# Altium PCB Gatorsynth_Sequencer.PcbDoc (part 1 of 2)
Units mm, origin at the board's own origin, x right, y up, seen from the top; angles counter-clockwise.
Board outline 320 x 113.4 mm, 2 copper layers (Top Layer, Bottom Layer); 109 components, 280 nets, 485 pads, 478 vias.
Unrouted connection lines stored in the file: 2.
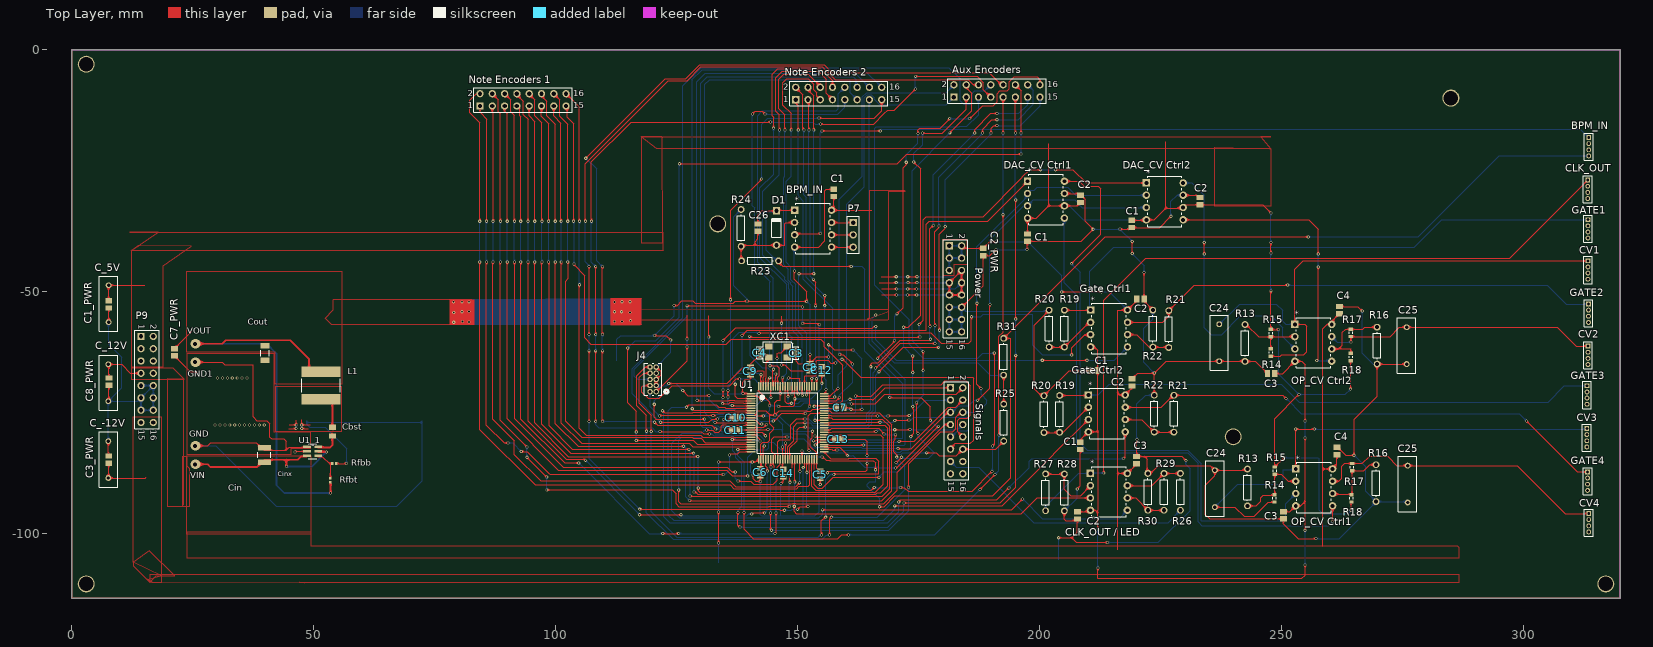
[diagram p0: Top Layer view]
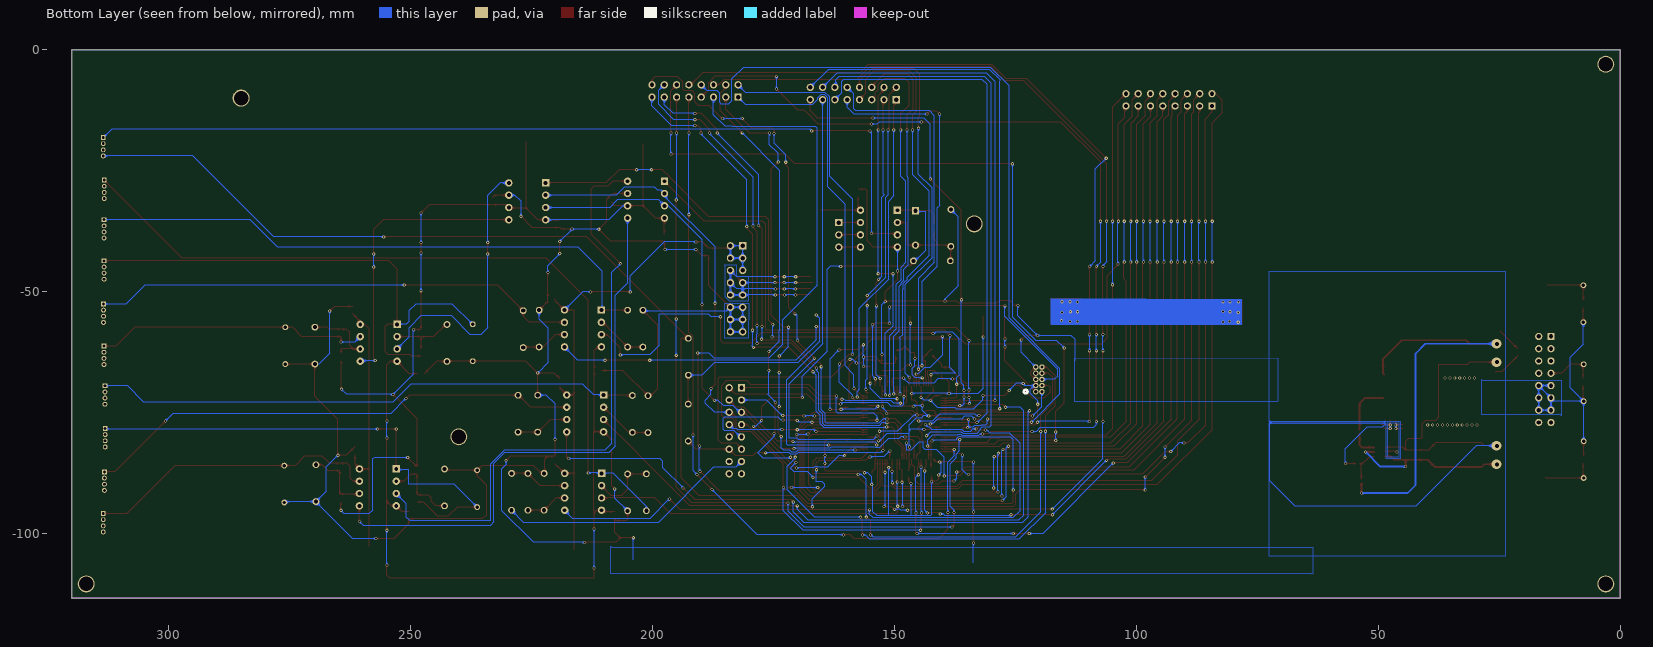
[diagram p1: Bottom Layer view, seen from below]

## Layer stack, top to bottom
Top Solder: solder mask 0.0102, Solder Resist, Dk 3.5
Top Layer: signal copper 0.0356
Dielectric 1: dielectric 0.32, FR-4, Dk 4.8
Bottom Layer: signal copper 0.0356
Bottom Solder: solder mask 0.0102, Solder Resist, Dk 3.5

## Board outline
0,-113.4 0,0 320,0 320,-113.4

## Design rules (kind name [scope] priority, off if disabled: settings)
Clearance Clearance_2 [All] p1: gap=0.15
Clearance [InPolygon] p2: gap=0.254
ComponentClearance ComponentClearance_1 [All] p1: gap=0.254 collisioncheckmode=3 verticalgap=0.254 showdistances=FALSE
PolygonConnect [All] p1: connectstyle=Relief reliefconductorwidth=0.254 reliefentries=4 polygonreliefangle="90 Angle" airgapwidth=0.254
RoutingVias [All] p1: holewidth=0.711 width=1.27 viastyle="Through Hole" minholewidth=0.711 minwidth=1.27 maxholewidth=0.711 maxwidth=1.27
SolderMaskExpansion [All] p1: expansion=0.102
Width [All] p1: maxlimit=0.5 minlimit=0.254 preferedwidth=0.254
29 further rules are at their usual default settings.

## Classes and differential pairs
channel class Ribbon_Connectors: U_Ribbon_Connectors1 U_Ribbon_Connectors2 U_Ribbon_Connectors3 U_Ribbon_Connectors4 U_Ribbon_Connectors5
component class U_Ribbon_Connectors5: "Note Encoders 1"
component class U_Ribbon_Connectors4: "Note Encoders 2"
component class U_Ribbon_Connectors3: "Aux Encoders"
component class U_Ribbon_Connectors2: Signals
component class U_Ribbon_Connectors1: Power
channel class Jack_Out: Jack_Out1 Jack_Out2 Jack_Out3 Jack_Out4 Jack_Out5 Jack_Out6 Jack_Out7 Jack_Out8 Jack_Out9
channel class Gate_Control: "Gate Control1" "Gate Control2"
channel class Expanders: ButtonExpanders NoteExpanders
channel class Encoders: "AUX Encoders1" "AUX Encoders2" "AUX Encoders3" "AUX Encoders4" "AUX Encoders5" "AUX Encoders6" "AUX Encoders7" "AUX Encoders8" "NOTE Encoders1" "NOTE Encoders2" "NOTE Encoders3" "NOTE Encoders4" "NOTE Encoders5" "NOTE Encoders6" "NOTE Encoders7" "NOTE Encoders8" "NOTE Encoders9" "NOTE Encoders10" "NOTE Encoders11" "NOTE Encoders12" "NOTE Encoders13" "NOTE Encoders14" "NOTE Encoders15" "NOTE Encoders16"
channel class Displays: U_Displays1 U_Displays2 U_Displays3 U_Displays4 U_Displays5 U_Displays6 U_Displays7 U_Displays8
channel class CV_Control: "CV Control1" "CV Control2"
component class Programmer: J4
component class Processor: C3 C4 C5 C6 C7 C8 C9 C10 C11 C12 C13 C14 U1 XC1
component class Power: C1_PWR C2_PWR C3_PWR C7_PWR C8_PWR
component class Jack_Out9: CV4
component class Jack_Out8: GATE4
component class Jack_Out7: CV3
component class Jack_Out6: GATE4
component class Jack_Out5: CV2
component class Jack_Out4: GATE2
component class Jack_Out3: CV1
component class Jack_Out2: GATE1
component class Jack_Out1: CLK_OUT
component class Jack_In: BPM_IN R31
component class "Gate Control2": c1 C2 "Gate Ctrl2" R19 R20 R21 R22
component class "Gate Control1": C1 C2 "Gate Ctrl1" R19 R20 R21 R22
component class Digital_Io: BPM_IN C1 C2 C3 C26 "CLK_OUT / LED" D1 P7 R23 R24 R26 R27 R28 R29 R30
component class "CV Control2": C1 C2 C3 C4 C24 C25 CV_Ctrl2 "DAC_CV Ctrl2" "OP_CV Ctrl2" R13 R14 R15 R16 R17 R18
component class "CV Control1": C1 C2 C3 C4 C24 C25 "DAC_CV Ctrl1" "OP_CV Ctrl1" R13 R14 R15 R16 R17 R18
component class Top_Level: R25

## Components (designator, comment, footprint, x,y, rotation, side; value= is the part's Value field where it differs from the comment)
"Aux Encoders" "Header 8X2" HDR2X8 182.3,-9.8 r0 top (schematic designator P9)
BPM_IN "LT1632CN8#PBF" PDIP-8_N 157.004,-40.792 r0 top (schematic designator U5)
BPM_IN "Phonejack3 RN" MHDR1X4 313.475,-18.15 r270 top (schematic designator J6)
C1 "" C0805 157.475,-29.6 r90 top (schematic designator C1_IOOP)
C1 "" C0805 208.425,-81.875 r90 top (schematic designator C1_GC)
C1 "" C0805 211.2,-66.3 r0 top (schematic designator C1_GC)
C1 "" C0805 219.05,-36 r90 top (schematic designator C1_DAC)
C1 "" C0805 197.5,-38.85 r90 top (schematic designator C1_DAC)
C1_PWR "" C0805 7.675,-52.625 r90 top
C2 "" C0805 207.825,-96.225 r90 top (schematic designator C2_IOOP)
C2 "" C0805 219.075,-68.75 r90 top (schematic designator C2_GC)
C2 "" C0805 220.85,-51.5 r0 top (schematic designator C2_GC)
C2 "" C0805 233.125,-31.3 r90 top (schematic designator C2_DAC)
C2 "" C0805 208.45,-30.825 r90 top (schematic designator C2_DAC)
C2_PWR "" C0805 188.375,-41.8 r90 top
C3 "" C0805 220.05,-84.8 r90 top (schematic designator C3_IOOP)
C3 "" C0805 247.85,-66.925 r180 top (schematic designator C3_DACOP)
C3 "" C0805 250.375,-96.2 r270 top (schematic designator C3_DACOP)
C3 "CAP-NONPOL" AP1-00001 149.675,-62.675 r270 top
C3_PWR "" C0805 7.675,-84.7 r270 top
C4 "" C0805 261.95,-53.825 r90 top (schematic designator C4_DACOP)
C4 "" C0805 261.45,-82.925 r90 top (schematic designator C4_DACOP)
C4 "CAP-NONPOL" AP1-00001 142.15,-62.6 r90 top
C5 "" C0805 154.675,-87.85 r90 top
C6 "" C0805 142.3,-87.275 r90 top
C7 "" C0805 158.8,-73.975 r180 top
C7_PWR "" C0805 21.225,-62.525 r90 top
C8 "" C0805 152.575,-65.6 r270 top
C8_PWR "" C0805 7.7,-68.6 r90 top
C9 "" C0805 140.25,-66.4 r270 top
C10 "" C0805 137.225,-76.025 r0 top
C11 "" C0805 137.125,-78.625 r0 top
C12 "" C0805 155,-66.25 r270 top
C13 "" C0805 158.4,-80.525 r180 top
C14 "" C0805 147.025,-87.475 r90 top
C24 "Cap" RAD-0.3 236.225,-90.7 r90 top
C24 "Cap" RAD-0.3 237.125,-60.55 r270 top
C25 "Cap" RAD-0.3 276.05,-89.75 r270 top
C25 "Cap" RAD-0.3 275.85,-61.15 r270 top
C26 "" C0805 141.804,-36.777 r270 top
C_5V "Cap Pol1" RAD-0.3 7.625,-52.5 r270 top (schematic designator C4_PWR)
C_12V "Cap Pol1" RAD-0.3 7.575,-68.825 r270 top (schematic designator C5_PWR)
C_-12V "Cap Pol1" RAD-0.3 7.575,-84.7 r270 top (schematic designator C6_PWR)
Cbst "Comment" 0805 53.883,-78.921 r270 top (schematic designator C27)
Cin "Comment" 1210 39.837,-83.747 r90 top (schematic designator C29)
CLK_OUT "Phonejack3 RN" MHDR1X4 313.275,-26.95 r270 top (schematic designator J7)
"CLK_OUT / LED" "LT1632CN8#PBF" PDIP-8_N 218.125,-95.163 r0 top (schematic designator U6)
Cout "Comment" 1206 39.964,-62.69 r270 top (schematic designator C28)
CV1 "Phonejack3 RN" MHDR1X4 313.3,-43.625 r270 top (schematic designator J7)
CV2 "Phonejack3 RN" MHDR1X4 313.325,-61.25 r270 top (schematic designator J7)
CV3 "Phonejack3 RN" MHDR1X4 313.075,-78.275 r270 top (schematic designator J7)
CV4 "Phonejack3 RN" MHDR1X4 313.475,-95.85 r270 top (schematic designator J7)
D1 "Diode 1N4148" DO-35 145.625,-36.85 r90 top
"DAC_CV Ctrl1" "LTC1661CN8#PBF" PDIP-8_N 205.125,-34.8 r0 top (schematic designator U2)
"DAC_CV Ctrl2" "LTC1661CN8#PBF" PDIP-8_N 229.675,-35.15 r0 top (schematic designator U2)
GATE1 "Phonejack3 RN" MHDR1X4 313.3,-35.125 r270 top (schematic designator J7)
GATE2 "Phonejack3 RN" MHDR1X4 313.425,-52.55 r270 top (schematic designator J7)
GATE3 "Phonejack3 RN" MHDR1X4 313.125,-69.45 r270 top (schematic designator J7)
GATE4 "Phonejack3 RN" MHDR1X4 313.25,-87.25 r270 top (schematic designator J7)
"Gate Ctrl1" "LT1632CN8#PBF" PDIP-8_N 218.175,-61.413 r0 top (schematic designator U4)
"Gate Ctrl2" "LT1632CN8#PBF" PDIP-8_N 217.704,-78.965 r0 top (schematic designator U4)
GND "Comment" TP-1502 25.511,-81.867 r90 top
GND1 "Comment" TP-1502 25.511,-64.57 r90 top
J4 "20021111-00010T4" CONN_MINITEK_2X5 120.15,-68.125 r90 top
L1 "Comment" SRN8040 51.521,-69.396 r90 top
"Note Encoders 1" "Header 8X2" HDR2X8 84.375,-11.625 r0 top (schematic designator P9)
"Note Encoders 2" "Header 8X2" HDR2X8 149.6,-10.325 r0 top (schematic designator P9)
"OP_CV Ctrl1" "LT1632CN8#PBF" PDIP-8_N 260.55,-94.25 r0 top (schematic designator U3)
"OP_CV Ctrl2" "LT1632CN8#PBF" PDIP-8_N 260.375,-64.375 r0 top (schematic designator U3)
P7 "Header 3" HDR1X3 161.479,-35.727 r270 top
P9 "Header 8X2" HDR2X8 14.325,-59.25 r270 top
Power "Header 8X2" HDR2X8 181.35,-40.525 r270 top (schematic designator P9)
R13 "Res1" AXIAL-0.3 242.45,-60.6 r270 top
R13 "Res1" AXIAL-0.3 242.95,-90.45 r90 top
R14 "Res3" J1-0603 248.55,-92.725 r270 top
R14 "Res3" J1-0603 247.8,-62.575 r270 top
R15 "Res3" J1-0603 248.625,-86.975 r270 top
R15 "Res3" J1-0603 247.8,-58.55 r270 top
R16 "Res1" AXIAL-0.3 269.75,-61.15 r270 top
R16 "Res1" AXIAL-0.3 269.525,-89.575 r270 top
R17 "Res3" J1-0603 264.575,-86.25 r270 top
R17 "Res3" J1-0603 264.325,-58.525 r90 top
R18 "Res3" J1-0603 264.45,-92.725 r270 top
R18 "Res3" J1-0603 264.325,-63.5 r270 top
R19 "Res1" AXIAL-0.3 205.125,-57.638 r90 top
R19 "Res1" AXIAL-0.3 204.154,-75.265 r90 top
R20 "Res1" AXIAL-0.3 201.975,-57.638 r270 top
R20 "Res1" AXIAL-0.3 200.904,-75.315 r270 top
R21 "Res1" AXIAL-0.3 226.7,-57.738 r270 top
R21 "Res1" AXIAL-0.3 227.754,-75.215 r270 top
R22 "Res1" AXIAL-0.3 223.4,-57.638 r90 top
R22 "Res1" AXIAL-0.3 223.704,-75.215 r90 top
R23 "Res1" AXIAL-0.3 142.25,-43.625 r0 top
R24 "Res1" AXIAL-0.3 138.329,-36.827 r270 top
R25 "R3" AXIAL-0.3 192.6,-77.05 r90 top
R26 "Res1" AXIAL-0.3 229.1,-91.363 r270 top
R27 "Res1" AXIAL-0.3 201.25,-91.463 r270 top
R28 "Res1" AXIAL-0.3 205.125,-91.488 r90 top
R29 "Res1" AXIAL-0.3 225.725,-91.363 r270 top
R30 "Res1" AXIAL-0.3 222.375,-91.363 r270 top
R31 "Res1" AXIAL-0.3 192.575,-63.45 r270 top
Rfbb "Comment" 0402 54.264,-85.474 r0 top (schematic designator R32)
Rfbt "Comment" 0402 53.426,-88.979 r90 top (schematic designator R33)
Signals "Header 8X2" HDR2X8 181.6,-69.85 r270 top (schematic designator P9)
U1 "ATSAM4N16CA-AU" LQFP100_N 147.93,-77.089 r0 top net-tie
U1_1 "Comment" DDC0006A 49.794,-82.985 r0 top (schematic designator U7)
VIN "Comment" TP-1502 25.511,-85.703 r90 top
VOUT "Comment" TP-1502 25.511,-60.785 r90 top
XC1 "12.0MHz" AP7-00039 145.95,-62.475 r180 top

## Footprints (in the part's own frame and the unit in brackets; to place one, negate y for a bottom-side part, rotate by r counter-clockwise, add the part's x,y. Pads: shape width x height; smd on the part's side, far side on the other; paste and mask are expansions set on the pad)
0402 [mil]
  rect 22x24 smd: 1(-16.5,0) 2(16.5,0)
0805 [mil]
  rect 44x57 smd: 1(-35.5,0) 2(35.5,0)
1206 [mil]
  rect 44x71 smd: 1(-59,0) 2(59,0)
  silkscreen extent -24,-36 24,36
1210 [mil]
  rect 44x106 smd: 1(-59,0) 2(59,0)
  silkscreen extent -24,-53 24,53
AP1-00001 [mm]
  rect 0.9x0.6 smd: 1(-0.55,0) 2(0.55,0)
  silkscreen extent -1.25,-0.55 1.25,0.55, body extent -0.5,-0.3 0.5,0.3, height 0.2
AP7-00039 [mm]
  rect 1.6x1.3 smd: 1(-1.9,-1.15) 2(1.9,-1.15) 3(1.9,1.15) 4(-1.9,1.15)
  silkscreen extent -3,-2.1 3,2.1, body extent -2.7,-1.8 2.7,1.8, height 1.2
AXIAL-0.3 [mm] "Axial Device, Thru-Hole; 2 Leads; 0.3 in Pin Spacing"
  round 1.4 hole 0.85: 1(-3.81,0) 2(3.81,0)
  silkscreen extent -2.77,-0.76 2.77,0.76
C0805 [mm] "Chip Capacitor, Body 2.0x1.3mm, IPC High Density"
  rect 1.1x1.4 smd: 1(-0.75,0) 2(0.75,0)
  body extent -1.1,-0.72 1.1,0.72, height 1.4
CONN_MINITEK_2X5 [mil]
  round 44 / inner round 60 / far side round 44 hole 26: 1(-100,-25) 2(-100,25) 3(-50,-25) 4(-50,25) 5(0,-25) 6(0,25) 7(50,-25) 8(50,25) 9(100,-25) 10(100,25)
  silkscreen extent -130,-122 130,73, body extent 0,0 10,10, height 10
DDC0006A [mil]
  rect 62x22 smd: 1(-46,37.4) 2(-46,0) 3(-46,-37.4) 4(46,-37.4) 5(46,0) 6(46,37.4)
  silkscreen extent -34,-60 34,60
DO-35 [mm] "Diode, Axial; Body 3.8 x 1.9 mm (LxDia. max), Lead Dia. 0.53 mm (max)"
  round 1.5 hole 0.9: 1(-3.55,0)
  rect 1.5x1.5 hole 0.9: 2(3.55,0)
  silkscreen extent -1.95,-0.95 2.05,0.95
HDR1X3 [mm] "Connector; Header; 3 Position"
  rect 1.5x1.5 hole 0.9: 1(0,0)
  round 1.5 hole 0.9: 2(2.54,0) 3(5.08,0)
  silkscreen extent -1.27,-1.27 6.35,1.27
HDR2X8 [mm] "Connector; Header; 8x2 Position"
  rect 1.5x1.5 hole 0.9: 1(0,0)
  round 1.5 hole 0.9: 2(0,2.54) 3(2.54,0) 4(2.54,2.54) 5(5.08,0) 6(5.08,2.54) 7(7.62,0) 8(7.62,2.54) 9(10.16,0) 10(10.16,2.54) 11(12.7,0) 12(12.7,2.54) 13(15.24,0) 14(15.24,2.54) 15(17.78,0) 16(17.78,2.54)
  silkscreen extent -1.27,-1.27 19.05,3.81
J1-0603 [mm] "Chip Resistor, Body 1.6x0.8mm, IPC High Density"
  rect 0.7x0.9 smd: 1(-0.75,0) 2(0.75,0)
  silkscreen extent -0.2,-0.35 0.2,0.35, body extent -0.85,-0.48 0.85,0.48, height 0.9
LQFP100_N [mm] "Thin QFP, 100-Leads, Body 14x14mm, Pitch 0.5mm, IPC Medium Density"
  oval 1.8x0.3 smd: 1(-7.55,6) 2(-7.55,5.5) 3(-7.55,5) 4(-7.55,4.5) 5(-7.55,4) 6(-7.55,3.5) 7(-7.55,3) 8(-7.55,2.5) 9(-7.55,2) 10(-7.55,1.5) 11(-7.55,1) 12(-7.55,0.5) 13(-7.55,0) 14(-7.55,-0.5) 15(-7.55,-1) 16(-7.55,-1.5) 17(-7.55,-2) 18(-7.55,-2.5) 19(-7.55,-3) 20(-7.55,-3.5) 21(-7.55,-4) 22(-7.55,-4.5) 23(-7.55,-5) 24(-7.55,-5.5) 25(-7.55,-6) 51(7.55,-6) 52(7.55,-5.5) 53(7.55,-5) 54(7.55,-4.5) 55(7.55,-4) 56(7.55,-3.5) 57(7.55,-3) 58(7.55,-2.5) 59(7.55,-2) 60(7.55,-1.5) 61(7.55,-1) 62(7.55,-0.5) 63(7.55,0) 64(7.55,0.5) 65(7.55,1) 66(7.55,1.5) 67(7.55,2) 68(7.55,2.5) 69(7.55,3) 70(7.55,3.5) 71(7.55,4) 72(7.55,4.5) 73(7.55,5) 74(7.55,5.5) 75(7.55,6)
  oval 0.3x1.8 smd: 26(-6,-7.55) 27(-5.5,-7.55) 28(-5,-7.55) 29(-4.5,-7.55) 30(-4,-7.55) 31(-3.5,-7.55) 32(-3,-7.55) 33(-2.5,-7.55) 34(-2,-7.55) 35(-1.5,-7.55) 36(-1,-7.55) 37(-0.5,-7.55) 38(0,-7.55) 39(0.5,-7.55) 40(1,-7.55) 41(1.5,-7.55) 42(2,-7.55) 43(2.5,-7.55) 44(3,-7.55) 45(3.5,-7.55) 46(4,-7.55) 47(4.5,-7.55) 48(5,-7.55) 49(5.5,-7.55) 50(6,-7.55) 76(6,7.55) 77(5.5,7.55) 78(5,7.55) 79(4.5,7.55) 80(4,7.55) 81(3.5,7.55) 82(3,7.55) 83(2.5,7.55) 84(2,7.55) 85(1.5,7.55) 86(1,7.55) 87(0.5,7.55) 88(0,7.55) 89(-0.5,7.55) 90(-1,7.55) 91(-1.5,7.55) 92(-2,7.55) 93(-2.5,7.55) 94(-3,7.55) 95(-3.5,7.55) 96(-4,7.55) 97(-4.5,7.55) 98(-5,7.55) 99(-5.5,7.55) 100(-6,7.55)
  silkscreen extent -7.67,-6.25 6.25,6.82, body extent -7,-7 7,7, height 1.6
MHDR1X4 [mm] "Connector; Header; 4 Position"
  rect 1x1 hole 0.6: 1(0,0)
  round 1 hole 0.6: 2(1.27,0) 3(2.54,0) 4(3.81,0)
  silkscreen extent -0.9,-0.9 4.71,0.9
PDIP-8_N [mil]
  rect 60x60 / inner round 60 / far side rect 60x60 hole 32 paste+0 mask+0: 1(-300,300)
  round 60 hole 32 paste+0 mask+0: 2(-300,200) 3(-300,100) 4(-300,0) 5(0,0) 6(0,100) 7(0,200) 8(0,300)
  silkscreen extent -290,-55 -10,355, body extent 0,0 10,10, height 10
RAD-0.3 [mm] "Radial Cap, Thru-Hole; 2 Leads; 0.3 in Pin Spacing"
  round 1.2 hole 0.7: 1(-3.81,0) 2(3.81,0)
  silkscreen extent -5.71,-1.91 5.71,1.91
SRN8040 [mm]
  rect 2.2x8 smd: 1(-2.85,0) 2(2.85,0)
  silkscreen extent -1.42,-4 1.42,4
TP-1502 [mil]
  round 65 / inner round 0 / far side round 65 hole 32 unplated: 1(0,0)

## Part data
"Aux Encoders" "Note Encoders 1" "Note Encoders 2" P9 Power Signals: "Header, 8-Pin, Dual row"
BPM_IN "CLK_OUT / LED" "DAC_CV Ctrl1" "DAC_CV Ctrl2" "Gate Ctrl1" "Gate Ctrl2" J4 "OP_CV Ctrl1" "OP_CV Ctrl2": "Imported"
BPM_IN CLK_OUT CV1 CV2 CV3 CV4 GATE1 GATE2 GATE3 GATE4: "Jack Socket, 1/4\" [6.5mm], Thru-Hole, Vertical, 3-Conductor with Tip open & Ring closed"
C1 C1 C1 C1 C1 C1_PWR C2 C2 C2 C2 C2 C2_PWR C3 C3 C3 C3_PWR C4 C4 C5 C6 C7 C7_PWR C8 C8_PWR C9 C10 C11 C12 C13 C14 C26: library part Cap, "Capacitor"
C3 C4: library part A01-0019, "Ceramic capacitor, SMD 0402, NP0, 50V, +/-5%"
C24 C24 C25 C25: "Capacitor"
C_5V C_12V C_-12V: "Polarized Capacitor (Radial)"
Cbst: library part 08053C104KAT2A, "Imported"
Cin: library part GRM32ER61E226KE1, "Imported"
Cout: library part C3216X5R1E476M16, "Imported"
D1: "High Conductance Fast Diode"
L1: library part SRN8040-2R2Y, "Imported"
P7: "Header, 3-Pin"
R13 R13 R14 R14 R15 R15 R16 R16 R17 R17 R18 R18 R19 R19 R20 R20 R21 R21 R22 R22 R23 R24 R26 R27 R28 R29 R30 R31: "Resistor"
R25: library part Res1, "Resistor"
Rfbb: library part CRCW040210K2FKED, "Imported"
Rfbt: library part CRCW040233K2FKED, "Imported"
U1: library part ATSAM4S16CA-AU, "AT91 ARM Cortex-M4 32-bit Microcontroller, 1MB Flash, 128KB SRAM, USB, 79 User I/Os, 100-Pin LQFP, Industrial Grade (-40°C to 105°C), Pb-Free"
U1_1: library part TPS563200DDCR, "Imported"
XC1: library part A07-0042, "Fox FQ5032B 12.0MHz SMD crystal 738B-12"

## Free pads (board coordinates)
  round 3.5 hole 3: 2(3,-110.4) 2(3,-3) 3(317,-110.4) 4(285,-10) 5(133.5,-36) 8(240,-80)

## Via types
v1: diameter 0.64, hole 0.381, Top Layer to Bottom Layer, 474 vias
v2: diameter 2.032/2.032 (per signal layer), hole 0.381, Top Layer to Bottom Layer, 4 vias

## Nets (pads, with @x,y where several pads share a name; then routed paths per layer and width w, separated by ;. In a path a pad name is that pad's centre, name@x,y a point inside that pad or via, vN(x,y) a via of type N, cw(c..) or ccw(c..) an arc to the next point about the centre after c; other vN are vias at no path point)
1.27V: C10.2 C11.2 C12.2 C13.2 C14.2 U1.11 U1.16 U1.36 U1.56 U1.85 U1.100 | length 66.3
  Top Layer w0.254: C11.2@137.925,-78.575 U1.16@140.375,-78.575 ; C10.2@138.025,-76.075 U1.11@140.375,-76.075 ; U1.16@140.375,-78.55 143.85,-78.55 143.908,-78.492 v1(143.908,-78.447) ; U1.11@140.375,-76.05 141.325,-76.05 141.7,-75.675 v1(142.9,-75.675) ; U1.100@141.925,-69.5 141.925,-70.575 144.225,-72.875 v1(144.225,-73.525) ; v1(146.05,-73.7) 149.1,-73.7 149.425,-73.375 v1(149.425,-72.125) U1.85@149.425,-69.5 ; v1(146.901,-82.13) 146.901,-86.626 147,-86.725 C14.2@147,-87 ; v1(153.289,-80.823) 153.698,-80.823 153.946,-80.575 155.475,-80.575 C13.2@157.6,-80.575 ; v1(155,-68.925) C12.2@155,-67
  Bottom Layer w0.254: v1(142.9,-75.675) 144.05,-75.675 144.5,-76.125 145.575,-76.125 146.925,-77.475 146.901,-77.499 v1(146.901,-82.13) ; v1@142.963,-75.738 144.225,-74.475 v1(144.225,-73.525) 145.875,-73.525 v1(146.05,-73.7) ; v1(143.908,-78.447) 146.822,-78.447 146.925,-78.55 ; 146.95,-79.525 147.1,-79.375 151.6,-79.375 153.048,-80.823 v1(153.289,-80.823) ; v1(149.425,-72.125) 152.825,-72.125 155,-69.95 v1(155,-68.925)
3.3V: BPM_IN.8 C1.1@157.475,-30.35 C5.2 C6.2 C7.2 C7_PWR.2 C8.2 C9.2 Cout.1 J4.1 L1.2 Power.6 Power.7 Power.8 Power.9 Power.10 R25.2 R31.2 Rfbt.1 U1.1 U1.10 U1.27 U1.50 U1.69 U1.91 U1.98 VOUT.1 | length 368.5
  Top Layer w0.254: C7_PWR.2@21.225,-61.775 24.837,-58.162 ; 53.477,-90.656 Rfbt.1@53.477,-89.462 ; J4.1@120.785,-70.665 127.15,-64.3 v1(127.15,-61.45) ; v1(127.15,-59.775) 127.15,-54.865 ; v1(131.65,-59.387) 131.65,-54.962 ; v1@138.625,-70.975 138.625,-68.75 139.225,-68.15 140.25,-68.15 C9.2@140.25,-67.15 ; v1(138.7,-71.05) U1.1@140.375,-71.05 ; U1.10@140.375,-75.55 141.254,-75.55 141.552,-75.252 141.552,-74.752 141.704,-74.6 143.427,-74.6 144.325,-75.498 ; C9.2@140.95,-67.15 141.775,-66.325 142.95,-66.325 143.1,-66.475 143.1,-67.5 142.925,-67.675 U1.98@142.925,-69.5 ; C6.2@142.425,-86.4 U1.27@142.425,-84.625 ; U1.27@142.425,-84.6 142.425,-81.55 142.821,-81.154 143.821,-81.154 144.25,-80.725 144.25,-79.225 145.075,-78.4 145.075,-78.075 144.275,-77.275 144.275,-75.498 v1(145.302,-75.498) ; U1.91@146.425,-69.5 v1(146.425,-71.025) 146.425,-72.475 145.775,-72.475 145.302,-72.948 v1(145.302,-75.498) ; v1(146.7,-65.15) 147.375,-65.15 148.575,-66.35 C8.2@152.575,-66.35 ; v1(146.7,-56.525) 146.7,-55.05 ; v1(153.111,-78.842) 153.028,-78.925 153.028,-80.216 152.629,-80.616 152.629,-82.004 153.925,-83.3 153.948,-84.625 U1.50@153.95,-84.725 ; 153.925,-86.475 U1.50@153.925,-84.625 ; 153.95,-86.5 154.55,-87.1 C5.2@154.55,-87.5 ; 154.548,-74.123 154.396,-74.275 153.1,-74.275 152.7,-74.675 151.919,-74.675 151.847,-74.603 146.197,-74.603 v1(145.302,-75.498) ; U1.69@154.596,-74.075 U1.69@155.45,-74.075 ; U1.69@155.475,-74.05 U1.69@155.45,-74.075 ; C1.1@157.475,-30.35 157.475,-32.701 BPM_IN.8@157.004,-33.172 165.328,-33.172 ; C7.2@157.95,-74.075 155.475,-74.075 U1.69@155.45,-74.075 ; 166.895,-48.145 v1(170.38,-48.145) ; 167.325,-46.925 v1(170.375,-46.925) ; 167.35,-49.425 v1(170.475,-49.425) ; 167.36,-50.685 v1(170.465,-50.685) ; v1(172.69,-50.685) v1(174.61,-50.685) ; v1(172.75,-49.425) v1(174.55,-49.425) ; v1(172.75,-46.925) v1(174.65,-46.925) ; v1(172.78,-48.145) v1(174.645,-48.145) ; Power.7@181.35,-48.25 Power.9@181.35,-50.685 Power.10@183.89,-50.685 Power.8@183.89,-48.145 Power.6@183.89,-45.605 Power.7@181.35,-48.145 ; R25.2@192.6,-73.24 R31.2@192.6,-67.285
  Top Layer w0.381: v2(25.562,-60.76) 31.15,-60.76 31.861,-60.049 45.145,-60.049 49.057,-63.935 49.057,-66.856 L1.2@48.803,-67.11 ; v1(53.502,-91.621) Rfbt.1@53.502,-89.589
  Bottom Layer w0.254: v1(127.15,-61.45) v1(127.15,-59.775) ; v1(131.65,-59.387) 131.65,-69.95 132.75,-71.05 v1(138.7,-71.05) ; v1@138.727,-71.023 146.423,-71.023 v1(146.425,-71.025) ; v1(145.302,-75.498) 146.048,-75.498 149.392,-78.842 v1(153.111,-78.842) ; v1(146.7,-65.15) v1(146.7,-56.525) ; v1(166.15,-54.825) 165.475,-55.5 165.475,-60.2 169.925,-64.65 187.2,-64.65 189.81,-67.26 R31.2@192.575,-67.26 ; v1(170.375,-46.925) v1(172.75,-46.925) ; v1(170.38,-48.145) v1(172.78,-48.145) ; v1(170.465,-50.685) v1(172.69,-50.685) ; v1(170.475,-49.425) v1(172.75,-49.425) ; v1(174.55,-49.425) 181.35,-49.425 ; v1(174.61,-50.685) Power.9@181.35,-50.685 ; v1(174.645,-48.145) Power.7@181.35,-48.145 181.35,-49.425 ; v1(174.65,-46.925) 182.57,-46.925 Power.6@183.89,-45.605 Power.8@183.89,-48.145 ; Power.9@181.35,-50.685 181.35,-49.425 ; Power.9@181.35,-50.685 Power.10@183.89,-50.685 Power.8@183.89,-48.145 ; 181.35,-49.425 182.61,-49.425 Power.8@183.89,-48.145
  Bottom Layer w0.381: v2(25.562,-60.76) 40.294,-60.76 42.326,-62.792 42.326,-89.97 43.977,-91.621 v1(53.502,-91.621)
  other v1: 78.95,-56.325 82.1,-56.275 80.725,-56.2 112.175,-56.2 113.7,-56.15 115.5,-56 78.95,-54.3 115.35,-54.3 80.65,-54.15 112.175,-54.15 113.65,-54.15 82.075,-54.125 112.15,-52.15 78.925,-52.1 80.625,-52.1 82.1,-52.1 113.7,-52.075 115.4,-52.075
5V: "DAC_CV Ctrl1.4" "DAC_CV Ctrl1.6" "DAC_CV Ctrl2.4" "DAC_CV Ctrl2.6" C1.2@197.5,-38.1 C1.2@219.05,-35.25 C1_PWR.2 C2.1@208.45,-31.575 C2.1@233.125,-32.05 C_5V.1 P9.5 P9.6 R15.1 R18.2 | length 205.7
  Top Layer w0.254: C1_PWR.2@7.625,-51.825 C_5V.1@7.625,-48.69 15.06,-48.69 ; C1.2@197.5,-38.1 197.505,-38.095 197.505,-34.8 199.35,-34.8 201.89,-32.26 ; 201.89,-19.45 201.89,-32.26 ; C2.1@208.45,-31.575 207.765,-32.26 205.125,-32.26 201.89,-32.26 ; C1.2@219.05,-35.25 221.955,-35.25 222.055,-35.15 223.675,-35.15 226.075,-32.75 ; 226.075,-19.05 226.075,-32.75 ; 229.535,-32.75 226.075,-32.75 ; 229.675,-32.61 230.235,-32.05 C2.1@233.125,-32.05 246.125,-32.05 v1(247.8,-33.725) ; R15.1@247.8,-57.8 v1(247.8,-49.825) ; v1(247.8,-42) v1(247.8,-39.875) v1@247.8,-39.775 ; R15.1@247.825,-57.825 v1(249.375,-57.825) ; v1(250.55,-84.3) R15.1@248.625,-86.225 248.625,-76.225 v1(253.6,-71.25) ; v1(264.275,-70.15) R18.2@264.275,-64.3 ; v1(264.375,-95.175) R18.2@264.375,-93.55